# Altium PCB DD2088PoE_Daisy_Chain.PcbDoc (part 3 of 6)
Units mm, origin at the board's own origin, x right, y up, seen from the top; angles counter-clockwise.
Board outline 125 x 63 mm, 6 copper layers (Top Copper, Signal Layer 1, Signal Layer 2, Signal Layer 3, Signal Layer 4, Bottom Copper), stack 1.597 mm thick; 343 components, 263 nets, 1428 pads, 889 vias.
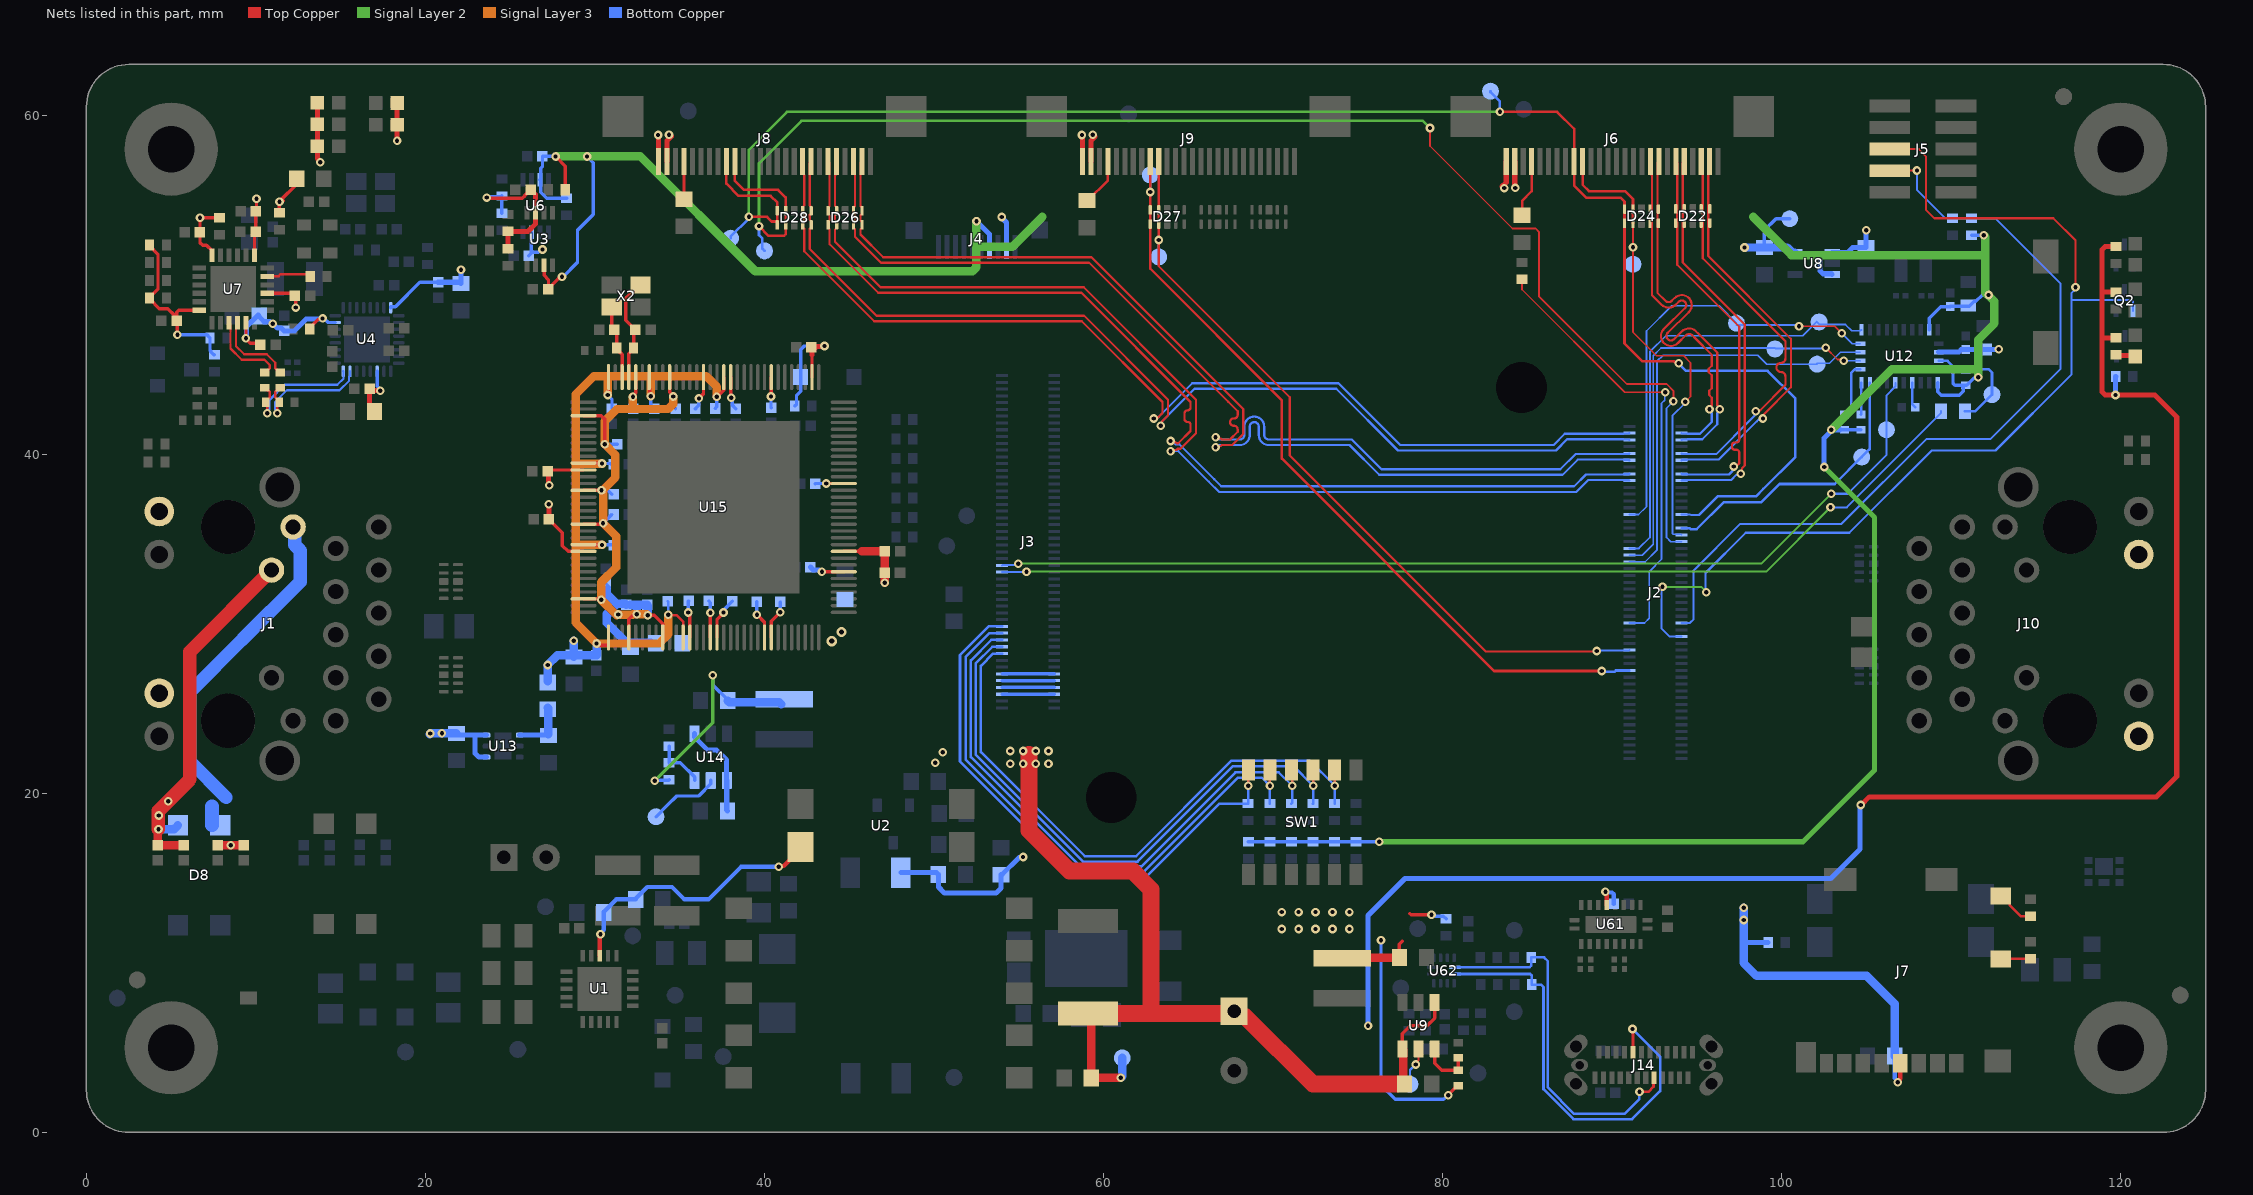
[diagram p7: the nets of this part, all layers, seen from the top]

## Part data (continued)
U5: library part TLV431BCDBZR, "IC VREF SHUNT ADJ SOT23-3", Case/Package=SOT-23, Cathode Current=100uA, Manufacturer 1="Texas Instruments", Max Input Voltage=7V, Max Operating Temperature=125°C, Max Output Current=15mA, Max Output Voltage=6V, Min Input Voltage=1.24V, Min Operating Temperature=-40°C, Package Quantity=1, Supplier Part Number 1=296-17569-1-ND, Temperature Coefficient=129ppm/°C, Tolerance=0.5%, ComponentLink1Description=https://datasheet.ciiva.com/26889/tlv431bcdbzr-26889546.pdf?src-supplier=IIIC, ComponentLink1URL=https://datasheet.ciiva.com/26889/tlv431bcdbzr-26889546.pdf?src-supplier=IIIC, ComponentLink2Description=https://datasheet.ciiva.com/2006/tlv431a-2006546.pdf?src-supplier=Digi-Key, ComponentLink2URL=https://datasheet.ciiva.com/2006/tlv431a-2006546.pdf?src-supplier=Digi-Key, ComponentLink3Description=https://datasheet.ciiva.com/2006/tlv431a-2006547.pdf?src-supplier=Digi-Key, ComponentLink3URL=https://datasheet.ciiva.com/2006/tlv431a-2006547.pdf?src-supplier=Digi-Key, ComponentLink4Description=https://datasheet.ciiva.com/2006/tlv431a-2006548.pdf?src-supplier=Digi-Key, ComponentLink4URL=https://datasheet.ciiva.com/2006/tlv431a-2006548.pdf?src-supplier=Digi-Key, ComponentLink5Description=https://datasheet.ciiva.com/26264/tlv431b-26264234.pdf?src-supplier=Avnet+Europe, ComponentLink5URL=https://datasheet.ciiva.com/26264/tlv431b-26264234.pdf?src-supplier=Avnet+Europe, ComponentLink6Description=https://datasheet.ciiva.com/46397/1887487-46397709.pdf?src-supplier=Element14, ComponentLink6URL=https://datasheet.ciiva.com/46397/1887487-46397709.pdf?src-supplier=Element14, Lead Free="Lead Free", Manufacturer Part Number 1=TLV431BCDBZR, Number of Channels=1, Number of Pins=3, Output Current=15mA, Output Voltage=6V, Packaging="Tape and Reel", Pricing 1="1=0.92000, 10=0.81200, 100=0.57850, 500=0.46772, 1000=0.35695 (USD)", Radiation Hardening=No, REACH SVHC="No SVHC", Reference Type=Shunt,Adjustable, Reference Voltage=6V, RoHS=Yes, Stock 1=3209, Supplier 1=Digi-Key, Supplier 2="TI store", Supplier 3=Mouser, Supplier Part Number 2=TLV431BCDBZR, Supplier Part Number 3=595-TLV431BCDBZR
U7: "IC CLK GENERATOR 200MHZ 24QFN", Case/Package=QFN, Frequency=100MHz, Manufacturer 1="Silicon Labs", Max Frequency=200MHz, Max Operating Temperature=85°C, Max Supply Voltage=3.465V, Min Operating Temperature=-40°C, Min Supply Voltage=3.135V, Operating Supply Voltage=3.3V, Package Quantity=490, Supplier Part Number 1=336-2157-ND, Category="Clock and Timing", ComponentLink1Description=https://datasheet.ciiva.com/1178/si52142-1178690.pdf?src-supplier=Digi-Key, ComponentLink1URL=https://datasheet.ciiva.com/1178/si52142-1178690.pdf?src-supplier=Digi-Key, ComponentLink2Description=https://datasheet.ciiva.com/26919/getdatasheetpartid-550913-26919827.pdf?src-supplier=Verical, ComponentLink2URL=https://datasheet.ciiva.com/26919/getdatasheetpartid-550913-26919827.pdf?src-supplier=Verical, ComponentLink3Description=https://datasheet.ciiva.com/46413/1813417-46413349.pdf?src-supplier=Element14, ComponentLink3URL=https://datasheet.ciiva.com/46413/1813417-46413349.pdf?src-supplier=Element14, ComponentLink4Description=https://datasheet.ciiva.com/4771/si52142-4771159.pdf?src-supplier=Mouser, ComponentLink4URL=https://datasheet.ciiva.com/4771/si52142-4771159.pdf?src-supplier=Mouser, Height=0.75mm, Input=Clock, Length=4mm, Manufacturer Part Number 1=SI52142-A01AGM, Max Duty Cycle=55%, Number of Circuits=1, Number of Outputs=2, Number of Pins=24, Packaging=Tray, PLL=Yes, Pricing 1="1=1.81000, 25=1.66320, 100=1.51200, 1000=1.36080 (USD)", Radiation Hardening=No, REACH SVHC=Unknown, RoHS=Yes, Stock 1=398, Supplier 1=Digi-Key, Supplier 2=Mouser, Supplier 3=Newark, Supplier Part Number 2=634-SI52142A01A-GM, Supplier Part Number 3=54X5497, Width=4mm
U8: "IC REG LINEAR 1.8V 200MA SC70-5 Linear Voltage Regulator IC  1 Output  200mA SC-70-5", Case/Package=SC, Dropout Voltage=175mV, Manufacturer 1="Texas Instruments", Manufacturer Part Number 1=TLV70018DCKR, Manufacturer Part Number 2=TLV70018DCKT, Max Input Voltage=5.5V, Max Operating Temperature=125°C, Max Output Current=200mA, Max Output Voltage=1.8V, Max Power Dissipation=320mW, Min Current Limit=220mA, Min Input Voltage=2V, Min Operating Temperature=-40°C, Nominal Supply Current=31uA, Output Voltage Accuracy=2%, Package Quantity=1, Quiescent Current=30uA, Supplier Part Number 1=296-32409-1-ND, Accuracy=2%, ComponentLink1Description=https://datasheet.ciiva.com/41462/001014631-da-01-en-ic-reg-ldo-1-8v-0-tlv70018dckr-sot-5-tid-41462480.pdf?src-supplier=Conrad, ComponentLink1URL=https://datasheet.ciiva.com/41462/001014631-da-01-en-ic-reg-ldo-1-8v-0-tlv70018dckr-sot-5-tid-41462480.pdf?src-supplier=Conrad, ComponentLink2Description=https://datasheet.ciiva.com/22700/1882059-22700171.pdf?src-supplier=Element14, ComponentLink2URL=https://datasheet.ciiva.com/22700/1882059-22700171.pdf?src-supplier=Element14, ComponentLink3Description=https://datasheet.ciiva.com/14149/tlv700-eng-ds-14149837.pdf?src-supplier=Distrelec, ComponentLink3URL=https://datasheet.ciiva.com/14149/tlv700-eng-ds-14149837.pdf?src-supplier=Distrelec, ComponentLink4Description=https://datasheet.ciiva.com/7992/1882059-7992894.pdf?src-supplier=Element14, ComponentLink4URL=https://datasheet.ciiva.com/7992/1882059-7992894.pdf?src-supplier=Element14, Contact Plating=Gold, Height=1mm, Lead Free="Lead Free", Length=2.15mm, Manufacturer 2="Texas Instruments", Min Output Voltage=1.8V, Nominal Output Voltage=1.8V, Number of Outputs=1, Number of Pins=5, Number of Regulators=1, Output Current=200mA, Output Type=Fixed, Output Voltage=1.8V, Packaging="Tape and Reel", Polarity=Positive, Power Dissipation=320mW, Power Rating=320mW, Pricing 1="1=0.48000, 10=0.40900, 100=0.30570, 500=0.24020, 1000=0.18561 (USD)", Pricing 2="1=0.55000, 10=0.46700, 100=0.34900 (USD)", Radiation Hardening=No, REACH SVHC="No SVHC", RoHS=Yes, Stock 1=63905, Stock 2=13188, Supplier 1=Digi-Key, Supplier 2=Digi-Key, Supplier Part Number 2=296-25269-1-ND, Width=1.4mm
U9 U14: library part TLV62569PDDCT, "2-A HIGH EFFICIENCY STEP-DOWN CO", Case/Package=SOT-23-6, Manufacturer 1="Texas Instruments", Max Input Voltage=5.5V, Max Operating Temperature=125°C, Min Input Voltage=2.5V, Min Operating Temperature=-40°C, Min Output Voltage=600mV, Output Current=2A, Supplier Part Number 1=296-47088-1-ND, Switching Frequency=1.5MHz, Category="Power Supply Modules", ComponentLink1Description=http://www.ti.com/lit/ds/symlink/tlv62569.pdf?src-supplier=Digi-Key, ComponentLink1URL=http://www.ti.com/lit/ds/symlink/tlv62569.pdf?src-supplier=Digi-Key, Manufacturer Part Number 1=TLV62569PDDCT, Max Output Voltage=5.5V, Mount="Surface Mount", Output Configuration=Positive, Output Type=Adjustable, Packaging="Cut Tape", Pricing 1="1=0.68000, 10=0.59500, 25=0.55880, 100=0.45590 (USD)", RoHS=Yes, RoHS Compliant=Yes, Stock 1=3900, Supplier 1=Digi-Key, Supplier 2=Digi-Key, Supplier Part Number 2=296-47088-6-ND, Synchronous Rectifier=Yes
U12: "IMU ACCEL/GYRO/MAG I2C 32BIT", Case/Package=LGA, Manufacturer 1="Hillcrest Laboratories", Max Operating Temperature=85°C, Min Operating Temperature=-40°C, Supplier Part Number 1=1888-1006-1-ND, Category="Inertial Measurement Units (IMUs)", ComponentLink1Description=https://www.hillcrestlabs.com/downloads/bno080-datasheet?src-supplier=Digi-Key, ComponentLink1URL=https://www.hillcrestlabs.com/downloads/bno080-datasheet?src-supplier=Digi-Key, ComponentLink2Description=https://www.hillcrestlabs.com/downloads/bno080-migration-guide?src-supplier=Digi-Key, ComponentLink2URL=https://www.hillcrestlabs.com/downloads/bno080-migration-guide?src-supplier=Digi-Key, Manufacturer Part Number 1=BNO085, Mount="Surface Mount", Output Type=SPI,I2C, Packaging="Tape and Reel", Pricing 1="1=11.85000, 5=10.31200, 10=9.28100, 25=8.25000, 50=7.63120, 100=6.60000, 500=6.18750, 1000=5.77500 (USD)", RoHS=No, Sensor Type=Accelerometer,Gyroscope,Magnetometer, Stock 1=11593, Supplier 1=Digi-Key
U13: "500-mA, high-PSRR, low-IQ, low-dropout voltage regulator with enable 6-WSON -40 to 125", Dropout Voltage=325mV, Manufacturer 1="Texas Instruments", Max Input Voltage=5.5V, Max Operating Temperature=125°C, Max Output Voltage=3.3V, Min Operating Temperature=-40°C, Min Output Voltage=2.5V, Output Current=500mA, Power Supply Rejection Ratio (PSRR)=52dB, Quiescent Current=31uA, Category="Integrated Circuits (ICs)", ComponentLink1Description=http://www.ti.com/lit/gpn/tlv755p?src-supplier=Digi-Key, ComponentLink1URL=http://www.ti.com/lit/gpn/tlv755p?src-supplier=Digi-Key, Manufacturer Part Number 1=TLV75525PDRVR, Mount="Surface Mount", Number of Regulators=1, Output Configuration=Positive, Output Type=Fixed, Packaging="Tape and Reel", Pricing 1="1=0.28700, 100=0.19500, 250=0.15100, 1000=0.10000 (USD)", RoHS=Yes, RoHS Compliant=Yes, Stock 1=74350, Supplier 1="Arrow Electronics", Supplier 2=Mouser, Supplier Part Number 1=TLV75525PDRVR, Supplier Part Number 2=595-TLV75525PDRVR
U15: "MICROCHIP - KSZ9896CTXI - ETHERNET SWITCH, 1GBPS, -40 TO 85DEG C", Case/Package=TQFP, Manufacturer 1=Microchip, Max Operating Temperature=85°C, Max Supply Voltage=5V, Min Operating Temperature=-40°C, Min Supply Voltage=-0.5V, Supplier Part Number 1=KSZ9896CTXI-ND, Category="Ethernet Interface ICs", ComponentLink1Description=http://www.farnell.com/datasheets/2793750.pdf?src-supplier=Farnell, ComponentLink1URL=http://www.farnell.com/datasheets/2793750.pdf?src-supplier=Farnell, ComponentLink2Description=http://ww1.microchip.com/downloads/en/devicedoc/00002390a.pdf?src-supplier=Digi-Key, ComponentLink2URL=http://ww1.microchip.com/downloads/en/devicedoc/00002390a.pdf?src-supplier=Digi-Key, ComponentLink3Description=http://www.farnell.com/datasheets/2793750.pdf?src-supplier=Newark, ComponentLink3URL=http://www.farnell.com/datasheets/2793750.pdf?src-supplier=Newark, Ethernet Bandwidth=10/100/1000Mbps, Interface=I2C,SPI, Manufacturer Part Number 1=KSZ9896CTXI, Number of Pins=129, Packaging=Tray, Pricing 1="1=12.50000, 25=10.45200 (USD)", RoHS=Yes, Stock 1=879, Supplier 1=Digi-Key, Weight=0.557500g
U61: library part HD3SS3212RKSR, "IC MUX 2:1 8 OHM 20VQFN", Case/Package=VQFN, Manufacturer 1="Texas Instruments", Max Operating Temperature=70°C, Max Supply Voltage=3.6V, Min Operating Temperature=0°C, Min Supply Voltage=3V, Supplier Part Number 1=296-42174-1-ND, Bandwidth=8GHz, ComponentLink1Description=http://www.ti.com/general/docs/lit/getliterature.tsp?genericPartNumber=HD3SS3212&&fileType=pdf&src-supplier=Avnet, ComponentLink1URL=http://www.ti.com/general/docs/lit/getliterature.tsp?genericPartNumber=HD3SS3212&&fileType=pdf&src-supplier=Avnet, ComponentLink2Description=http://www.ti.com/general/docs/lit/getliterature.tsp?genericPartNumber=HD3SS3212&amp;&amp;fileType=pdf&src-supplier=Farnell, ComponentLink2URL=http://www.ti.com/general/docs/lit/getliterature.tsp?genericPartNumber=HD3SS3212&amp;&amp;fileType=pdf&src-supplier=Farnell, ComponentLink3Description=http://www.ti.com/lit/ds/symlink/hd3ss3212.pdf?src-supplier=Digi-Key, ComponentLink3URL=http://www.ti.com/lit/ds/symlink/hd3ss3212.pdf?src-supplier=Digi-Key, ComponentLink4Description=http://www.ti.com/lit/gpn/hd3ss3212?src-supplier=Mouser, ComponentLink4URL=http://www.ti.com/lit/gpn/hd3ss3212?src-supplier=Mouser, ComponentLink5Description=http://www.ti.com/general/docs/lit/getliterature.tsp?genericPartNumber=HD3SS3212&&fileType=pdf&src-supplier=Element14, ComponentLink5URL=http://www.ti.com/general/docs/lit/getliterature.tsp?genericPartNumber=HD3SS3212&&fileType=pdf&src-supplier=Element14, Data Rate=480Mbps, Lead Free="Lead Free", Manufacturer Part Number 1=HD3SS3212RKSR, Mount=Standard, Number of Pins=20, Number of Ports=3, Packaging="Tape and Reel", Pricing 1="1=1.79000, 10=1.61000, 100=1.29440, 500=1.06348, 1000=0.88117 (USD)", REACH SVHC="No SVHC", RoHS=Yes, Stock 1=36674, Supplier 1=Digi-Key, USB Standard="USB 3.1"
U62: library part TUSB321RWBR, "IC USB PORT CONTROL TYPE-C 12X2Q", Manufacturer 1="Texas Instruments", Max Operating Temperature=70°C, Max Supply Voltage=5.5V, Min Operating Temperature=0°C, Min Supply Voltage=4.5V, Supplier Part Number 1=296-42400-1-ND, ComponentLink1Description=http://www.ti.com/general/docs/lit/getliterature.tsp?genericPartNumber=TUSB321&&fileType=pdf&src-supplier=Avnet+Asia, ComponentLink1URL=http://www.ti.com/general/docs/lit/getliterature.tsp?genericPartNumber=TUSB321&&fileType=pdf&src-supplier=Avnet+Asia, ComponentLink2Description=http://www.ti.com/general/docs/lit/getliterature.tsp?genericPartNumber=TUSB321&&fileType=pdf&src-supplier=Farnell, ComponentLink2URL=http://www.ti.com/general/docs/lit/getliterature.tsp?genericPartNumber=TUSB321&&fileType=pdf&src-supplier=Farnell, ComponentLink3Description=http://www.ti.com/lit/ds/symlink/tusb321.pdf?src-supplier=Digi-Key, ComponentLink3URL=http://www.ti.com/lit/ds/symlink/tusb321.pdf?src-supplier=Digi-Key, ComponentLink4Description=http://www.ti.com/general/docs/lit/getliterature.tsp?genericPartNumber=TUSB321&&fileType=pdf&src-supplier=Element14, ComponentLink4URL=http://www.ti.com/general/docs/lit/getliterature.tsp?genericPartNumber=TUSB321&&fileType=pdf&src-supplier=Element14, ComponentLink5Description=http://www.ti.com/general/docs/lit/getliterature.tsp?genericPartNumber=TUSB321&&fileType=pdf&src-supplier=Avnet, ComponentLink5URL=http://www.ti.com/general/docs/lit/getliterature.tsp?genericPartNumber=TUSB321&&fileType=pdf&src-supplier=Avnet, Contact Plating=Gold, Lead Free="Lead Free", Manufacturer Part Number 1=TUSB321RWBR, Mount="Surface Mount", Number of Pins=12, Number of Ports=1, Packaging="Tape and Reel", Pricing 1="1=2.27000, 10=2.04200, 100=1.64100, 500=1.34828, 1000=1.11714 (USD)", REACH SVHC="No SVHC", RoHS=Yes, Stock 1=7746, Supplier 1=Digi-Key, USB Standard="USB 3.1"
X1 X2: library part ECS-250-18-36B-CKY-TR, "CRYSTAL 25.0000MHZ 18PF SMD 25MHz ±10ppm Crystal 18pF 50 Ohms 4-SMD, No Lead", Manufacturer 1="ECS International", Supplier Part Number 1=XC3051CT-ND, Manufacturer Part Number 1=ECS-250-18-36B-CKY-TR, Pricing 1="1=0.48000, 10=0.39900, 50=0.35880, 100=0.31900, 500=0.30306 (USD)", RoHS=No, Stock 1=1111, Supplier 1=Digi-Key, Supplier 2=Mouser, Supplier 3=Arrow, Supplier Part Number 2=520-250-18-36B-CKYT, Supplier Part Number 3=ECS-250-18-36B-CKY-TR
Y1: "CRYSTAL 32.768kHz ±20ppm Crystal 12.5pF 90 kOhms 2-SMD, No Lead", Case/Package=SMD/SMT, ESR (Equivalent Series Resistance)=90kR, Frequency=32.768kHz, Frequency Tolerance=20ppm, Load Capacitance=12.5pF, Manufacturer 1=Abracon, Max Operating Temperature=85°C, Min Operating Temperature=-40°C, Supplier Part Number 1=535-14513-1-ND, ComponentLink1Description=http://www.farnell.com/datasheets/2614114.pdf?src-supplier=Farnell, ComponentLink1URL=http://www.farnell.com/datasheets/2614114.pdf?src-supplier=Farnell, ComponentLink2Description=https://abracon.com/datasheets/ABS06-127-32.768kHz-T.pdf?src-supplier=Digi-Key, ComponentLink2URL=https://abracon.com/datasheets/ABS06-127-32.768kHz-T.pdf?src-supplier=Digi-Key, ComponentLink3Description=http://www.farnell.com/datasheets/2614114.pdf?src-supplier=Newark, ComponentLink3URL=http://www.farnell.com/datasheets/2614114.pdf?src-supplier=Newark, Manufacturer Part Number 1=ABS06-127-32.768KHZ-T, Mount="Surface Mount", Packaging="Tape and Reel", Pricing 1="1=0.69000, 10=0.60700, 50=0.56760, 100=0.50160, 500=0.47520, 1000=0.39600 (USD)", RoHS=Yes, Stock 1=1640, Supplier 1=Digi-Key, Supplier 2=Digi-Key, Supplier 3=Mouser, Supplier 4=Verical, Supplier Part Number 2=535-14513-6-ND, Supplier Part Number 3=815-ABS0612732.768KT, Supplier Part Number 4=ABS06-127-32.768KHZ-T

## Via types
v1: diameter 0.508, hole 0.254, Top Copper to Bottom Copper, 871 vias
v2: diameter 0.406, hole 0.203, Top Copper to Bottom Copper, 8 vias
v3: diameter 0.508, hole 0.254, Top Copper to Bottom Copper, tented both sides, 8 vias
v4: diameter 0.6, hole 0.3, Top Copper to Bottom Copper, 2 vias

## Nets (pads, with @x,y where several pads share a name; then routed paths per layer and width w, separated by ;. In a path a pad name is that pad's centre, name@x,y a point inside that pad or via, vN(x,y) a via of type N, cw(c..) or ccw(c..) an arc to the next point about the centre after c; other vN are vias at no path point)
1V2: C64.2 C88.2 C89.2 C97.2 C98.2 C99.2 C100.2 C101.2 C102.2 C103.2 C104.2 FB5.1 L4.2 R75.1 U15.11 U15.23 U15.45 U15.48 U15.56 U15.71 U15.84 U15.104 U15.110 | length 35.1
  Top Copper w0.2: C98.2@27.2,39 27.277,39.077 U15.11@29.323,39.077 ; C99.2@27.284,36.172 28.078,35.378 28.078,34.609 28.41,34.277 U15.23@29.323,34.277 ; v1(35.494,30.671) 35.494,30.587 35.598,30.484 U15.45@35.598,29.201 ; U15.48@36.798,29.201 36.798,30.656 v1(36.807,30.665) ; U15.110@37.998,44.552 37.998,43.374 v1(38.042,43.33) ; v1(39.55,30.542) 39.579,30.513 39.588,30.513 39.998,30.103 U15.56@39.998,29.201 ; v1(40.378,43.408) 40.398,43.428 U15.104@40.398,44.552 ; v1(43.385,33.077) U15.71@44.674,33.077 ; v1@43.649,38.265 43.661,38.277 U15.84@44.674,38.277
  Top Copper w0.3: C98.2@27.2,39 27.248,38.952 27.248,38.23 v1(27.295,38.182) ; v1(27.278,37.055) 27.281,37.052 27.281,36.175 C99.2@27.284,36.172
  Signal Layer 2 w0.2: v1(33.525,20.75) 36.95,24.175 v1(36.95,26.975)
  Bottom Copper w0.2: v1(33.525,20.75) 33.55,20.775 34.35,20.775 R75.1@34.375,20.8 ; v1(35.494,30.671) 35.494,31.323 C104.2@35.523,31.352 ; C103.2@36.701,31.352 36.807,31.246 v1(36.807,30.665) ; v1(36.95,26.975) 36.95,26.395 37.828,25.518 C64.2@37.828,25.468 ; v1(38.042,43.33) 38.097,43.276 38.097,42.909 C97.2@38.307,42.699 ; C102.2@39.546,31.312 39.55,31.307 v1(39.55,30.542) ; v1(40.378,43.408) 40.378,42.776 C89.2@40.402,42.752 ; C100.2@42.998,38.264 43.013,38.28 v1(43.647,38.28)
  Bottom Copper w0.3: C101.2@42.705,33.348 42.865,33.188 43.218,33.188 43.329,33.077 v1(43.385,33.077)
  Bottom Copper w0.5: C64.2@37.828,25.468 37.928,25.368 40.878,25.368 L4.2@40.978,25.268
  other v4: 43.965,28.979 44.548,29.516
1V2_A: C78.2 C79.2 C80.2 C81.2 C82.2 C83.2 C84.2 C85.2 C86.2 C87.2 FB5.2 U15.3 U15.14 U15.19 U15.30 U15.36 U15.41 U15.114 U15.119 U15.124 | length 48
  Top Copper w0.2: U15.30@29.323,31.477 30.317,31.477 v1(30.369,31.425) ; U15.19@29.323,35.877 30.328,35.877 30.392,35.942 v1(30.476,35.942) ; U15.14@29.323,37.877 30.377,37.877 v1(30.383,37.883) ; U15.3@29.323,42.277 30.373,42.277 30.575,42.075 v1(30.575,40.602) ; U15.36@31.998,29.201 31.998,30.271 32.229,30.502 32.409,30.502 v1(32.468,30.561) ; v1(32.236,43.391) 32.236,43.475 32.398,43.636 U15.124@32.398,44.552 ; v1(33.11,30.503) 33.111,30.502 33.492,30.502 33.998,29.996 U15.41@33.998,29.201 ; U15.119@34.398,44.552 34.398,43.652 34.614,43.436 v1(34.614,43.413) ; v1(36.128,43.298) 36.398,43.568 U15.114@36.398,44.552
  Signal Layer 3 w0.5: v1@31.29,30.503 v1(30.369,31.425) 30.369,32.452 31.242,33.325 31.242,35.175 v1(30.476,35.942) 30.476,37.906 31.206,38.636 31.206,39.97 30.575,40.6 v1(30.575,40.602) 30.575,41.957 31.292,42.673 32.219,42.673 ; v1@31.375,30.546 31.375,30.548 31.379,30.552 32.217,30.552 32.225,30.559 32.466,30.559 v1(32.468,30.561) 32.469,30.559 33.052,30.559 v1(33.11,30.503) v1(33.11,30.503) ; v1(32.236,43.391) 32.236,42.691 32.219,42.673 ; v1(34.614,43.413) 34.613,43.412 34.613,42.965 34.322,42.673 32.219,42.673
  Bottom Copper w0.2: v1(30.383,37.883) 30.41,37.856 30.791,37.856 C87.2@31.001,37.646 ; v1(30.476,35.942) 30.491,35.942 C86.2@31.001,36.451 ; v1(30.575,40.602) 31.316,40.602 C82.2@31.322,40.608 ; C83.2@30.642,32.357 C83.2@30.842,32.157 ; 30.703,30.425 30.821,30.543 31.368,30.543 v1(31.375,30.55) ; v1(32.236,43.391) 32.236,42.714 C81.2@32.25,42.7 ; v1(34.614,43.413) 34.614,42.836 C79.2@34.75,42.7 ; C80.2@35.935,42.676 C80.2@35.912,42.698 36.122,42.908 36.122,43.292 v1(36.128,43.298)
  Bottom Copper w0.5: v1(30.369,31.425) 30.371,31.425 30.702,31.757 ; 30.703,32.018 30.703,31.757 31.279,31.181 ; C85.2@31.84,31.121 31.78,31.181 31.279,31.181 ; C85.2@32.088,31.121 C84.2@33.088,31.121 ; v1(32.468,30.561) 32.468,30.563 32.471,30.56 32.471,31.037 ; C84.2@33.108,31.062 33.108,30.505 v1(33.11,30.503) ; FB5.2@33.291,28.902 31.852,28.902 30.703,30.051 30.703,30.425 30.703,30.605 31.279,31.181
1V2_PG: TP14.1 U14.5 | length 4.2
  Bottom Copper w0.2: TP14.1@33.6,18.625 34.3,19.325 34.821,19.846 36.107,19.846 36.828,20.568 U14.5@36.828,20.768
1V8: C18.2 C52.2 C63.2 C92.2 C93.2 J4.7 R1.1 R2.2 R6.2 R7.2 R9.2 R16.2 R50.2 R60.2 R61.2 R83.2 R85.1 R86.1 TP3.1 U3.3 U6.3 U8.5 U12.5 U12.6 U12.28 | length 168.3
  Top Copper w0.2: U3.3@27,51.15 27,50.551 27.254,50.296 C18.2@27.254,49.77 ; C18.2@27.234,49.75 C18.2@27.254,49.77 ; v1(27.674,57.57) 28.244,57 R6.2@28.244,55.606 ; v1(28.05,50.475) 27.991,50.416 27.9,50.416 C18.2@27.254,49.77
  Signal Layer 2 w0.3: v1(76.26,17.15) 101.252,17.15 105.465,21.363 105.465,36.285 v1(102.5,39.25)
  Signal Layer 2 w0.5: v1(27.674,57.57) v1(29.532,57.57) 32.68,57.57 39.45,50.8 52.267,50.8 52.5,51.034 52.5,52.231 ; v1(52.5,53.75) 52.5,52.231 ; 56.384,54 54.614,52.231 52.5,52.231 ; 98.315,54 100.565,51.75 112,51.75 ; v1(102.928,41.45) 106.503,45.025 111.594,45.025 ; v1(111.594,44.548) 111.594,45.025 ; v1(111.918,52.925) v1(111.918,52.925) 112,52.841 112,51.75 ; v1@112.18,49.38 112,49.561 112,51.75 ; v1@112.197,49.397 112.2,49.397 112.202,49.396 112.202,49.359 112.544,49.017 112.544,47.719 111.594,46.769 111.594,45.025
  Bottom Copper w0.2: v1(27.674,57.57) 27.669,57.575 27.5,57.575 C52.2@26.9,57.575 26.9,56.965 26.8,56.865 26.8,56.25 U6.3@26.75,56.2 26.794,56.156 26.794,55.45 27.144,55.1 R50.2@28.325,55.1 ; v1(28.05,50.475) 28.119,50.475 28.966,51.322 28.966,53.216 29.897,54.147 29.897,57.204 v1(29.532,57.57) ; R16.2@68.535,17.15 R61.2@69.805,17.15 R60.2@71.075,17.15 R7.2@72.345,17.15 R9.2@73.615,17.15 R2.2@74.885,17.15 76.211,17.15 v1@76.26,17.101 ; C63.2@98.975,52.2 98.975,53.216 99.659,53.9 TP3.1@100.475,53.9 ; v1@102.877,41.399 v1(102.928,41.45) 103.425,41.45 ; R86.1@103.7,41.45 103.425,41.45 ; R85.1@104.675,41.45 R86.1@103.425,41.45 ; U12.28@108.7,47.337 108.7,48.039 109.366,48.705 C93.2@109.938,48.705 ; U12.6@109.2,44.212 109.2,43.683 109.408,43.475 110.46,43.475 110.71,43.725 110.71,43.94 110.575,44.075 ; U12.5@109.262,45.025 109.87,45.025 110.1,44.795 110.1,44.192 110.217,44.075 110.575,44.075 ; C93.2@109.938,48.725 111.05,48.725 111.35,49.025 111.454,49.025 111.823,49.394 112.194,49.394 v1(112.2,49.4) ; R1.1@111.2,52.925 v1(111.918,52.925) ; v1(111.594,44.548) 111.535,44.489 111.314,44.489 110.9,44.075 R83.2@110.85,44.075 110.575,44.075
  Bottom Copper w0.3: v1(52.5,53.75) 53.264,52.986 53.264,52.233 J4.7@53.267,52.231 ; v1@76.26,17.101 v1(76.26,17.15) ; v1(102.5,39.25) 102.5,40.966 102.928,41.394 v1(102.928,41.45) R86.1@103.425,41.45
  Bottom Copper w0.5: v1(97.8,52.2) C63.2@98.975,52.2 100.325,52.2 100.625,51.9 U8.5@100.775,51.9
2V5: C59.2 FB4.1 U13.1 | length 3.3
  Bottom Copper w0.3: U13.1@25.553,23.437 27.187,23.437 C59.2@27.25,23.5
  Bottom Copper w0.5: FB4.1@27.208,25.045 27.229,25.024 27.229,23.521 C59.2@27.25,23.5
2V5_A: C67.2 C68.2 C69.2 C70.2 C71.2 C72.2 C75.2 C77.2 FB4.2 U15.10 U15.22 U15.33 U15.44 U15.111 U15.122 U15.128 | length 54.9
  Top Copper w0.15: v1(34.325,30.531) 34.334,30.521 34.804,30.521 35.198,30.127 U15.44@35.198,29.201
  Top Copper w0.2: U15.22@29.323,34.677 30.395,34.677 v1(30.415,34.657) ; U15.10@29.323,39.477 30.395,39.477 v1(30.415,39.457) ; v1(30.094,28.842) 30.187,28.749 30.798,28.749 U15.33@30.798,29.201 ; v1(30.75,43.5) 30.798,43.548 U15.128@30.798,44.552 ; U15.122@33.198,44.552 33.198,43.874 33.222,43.85 33.222,43.478 v1(33.281,43.42) ; v1(37.18,43.389) 37.205,43.389 37.598,43.782 U15.111@37.598,44.552
  Signal Layer 3 w0.5: v1(30.415,34.657) 28.934,34.657 28.854,34.577 ; v1(30.415,39.457) 28.874,39.457 28.854,39.477 ; v1(30.75,43.5) 30.75,44.563 30.798,44.611 ; v1(33.281,43.42) 33.281,44.576 33.246,44.611 ; v1(34.325,30.531) 34.325,29.385 33.782,28.842 v1(30.094,28.842) 28.854,30.081 28.854,34.577 ; v1(37.18,43.389) 37.179,43.391 37.179,43.992 36.559,44.611 33.246,44.611 ; 28.854,34.577 28.854,39.477 ; 28.854,39.477 28.854,43.533 29.933,44.611 30.798,44.611 ; 30.798,44.611 33.246,44.611